# Altium PCB teletext2.PcbDoc (part 1 of 2) (continued)
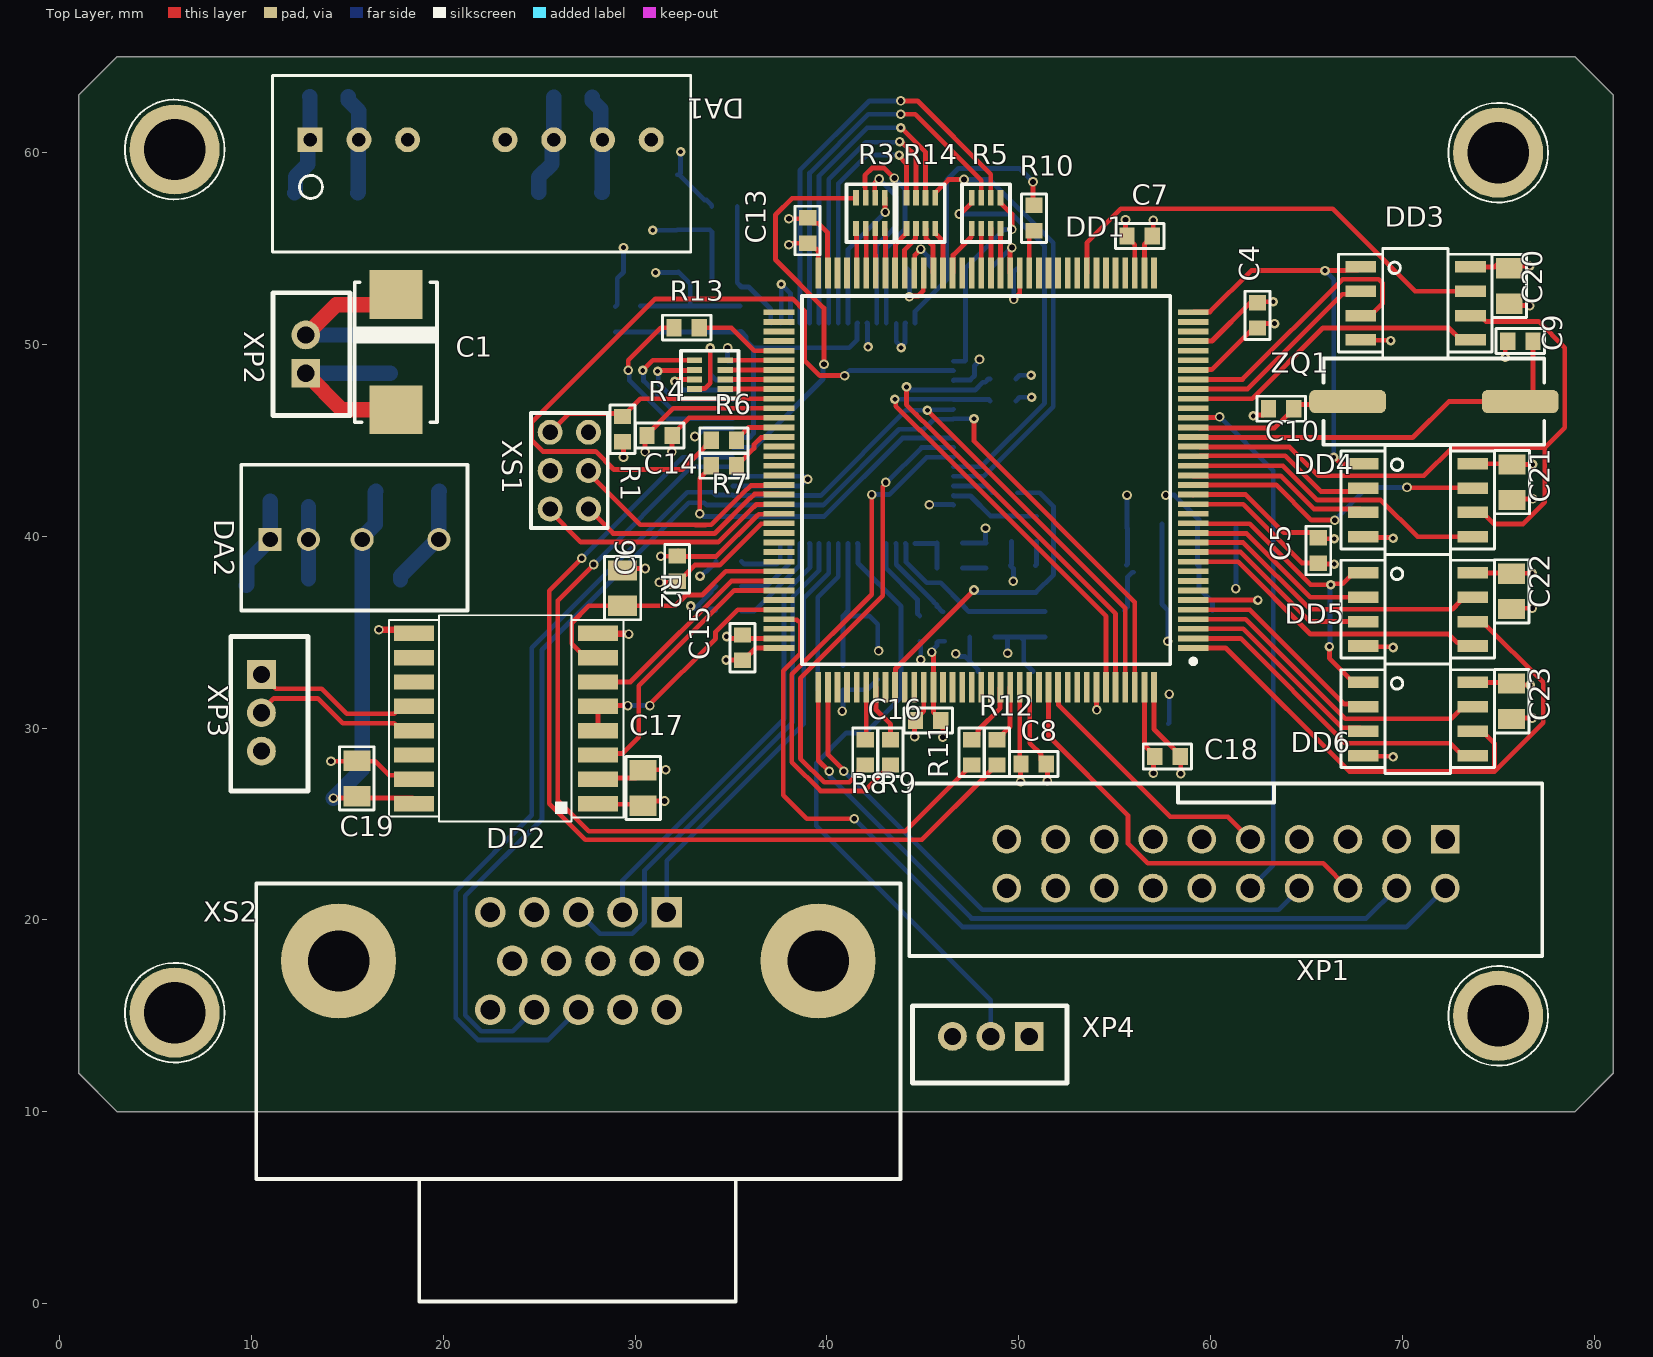
[diagram p0: Top Layer view]
## Design rules (kind name [scope] priority, off if disabled: settings) (continued)
MinimumAnnularRing "Minimum AR VIA Advance" [IsVia] p3: minimumring=0.1
MinimumAnnularRing "Minimum AR PAD Advance" [IsPAD] p4: minimumring=0.15
MinimumSolderMaskSliver "SolderMask Bridge Standart" [All] p1: minsoldermaskwidth=0.1 // All Masks
MinimumSolderMaskSliver "SolderMask Bridge Advance" [All] p2: minsoldermaskwidth=0.1 // Mask LDI
PlaneClearance "PlaneClearance 3 Oz" [All] p1: clearance=0.35
PlaneClearance "PlaneClearance 2 Oz" [All] p2: clearance=0.3
PlaneClearance "PlaneClearance 1 Oz" [All] p3: clearance=0.2
PlaneClearance "PlaneClearance-1 1/2 Oz" [All] p4: clearance=0.2 // Standart
PlaneClearance "PlaneClearance-2 1/2 Oz" [All] p5: clearance=0.15 // Advance
PlaneConnect "TermalConnect 3 Oz" [All] p1: planeconnectstyle=Relief reliefexpansion=0.2 reliefentries=4 reliefconductorwidth=0.35 reliefairgap=0.35 // Standart
PlaneConnect "TermalConnect 2 Oz" [All] p2: planeconnectstyle=Relief reliefexpansion=0.2 reliefentries=4 reliefconductorwidth=0.3 reliefairgap=0.3 // Standart
PlaneConnect "TermalConnect-1 1 Oz" [All] p3: planeconnectstyle=Relief reliefexpansion=0.2 reliefentries=4 reliefconductorwidth=0.2 reliefairgap=0.2 // Standart
PlaneConnect "TermalConnect-2 1 Oz" [All] p4: planeconnectstyle=Relief reliefexpansion=0.508 reliefentries=4 reliefconductorwidth=0.254 reliefairgap=0.254 // Advance
PlaneConnect "TermalConnect-1 1/2 Oz" [All] p5: planeconnectstyle=Relief reliefexpansion=0.2 reliefentries=4 reliefconductorwidth=0.2 reliefairgap=0.2 // Standart
PlaneConnect "TermalConnect-2 1/2 Oz" [All] p6: planeconnectstyle=Relief reliefexpansion=0.508 reliefentries=4 reliefconductorwidth=0.254 reliefairgap=0.254 // Advance
PolygonConnect "PolygonConnect 3 Oz" [All] p1: connectstyle=Relief reliefconductorwidth=0.254 reliefentries=4 polygonreliefangle="45 Angle" airgapwidth=0.254
PolygonConnect "PolygonConnect 2 Oz" [All] p2: connectstyle=Relief reliefconductorwidth=0.254 reliefentries=4 polygonreliefangle="45 Angle" airgapwidth=0.254
PolygonConnect "PolygonConnect-1 1 Oz" [All] p3: connectstyle=Relief reliefconductorwidth=0.254 reliefentries=4 polygonreliefangle="45 Angle" airgapwidth=0.254 // Standart
PolygonConnect "PolygonConnect-2 1 Oz" [All] p4: connectstyle=Relief reliefconductorwidth=0.254 reliefentries=4 polygonreliefangle="45 Angle" airgapwidth=0.254 // Advance
PolygonConnect "PolygonConnect-1 1/2 Oz" [All] p5: connectstyle=Relief reliefconductorwidth=0.254 reliefentries=4 polygonreliefangle="45 Angle" airgapwidth=0.254 // Standart
PolygonConnect "PolygonConnect-2 1/2 Oz" [All] p6: connectstyle=Relief reliefconductorwidth=0.254 reliefentries=4 polygonreliefangle="45 Angle" airgapwidth=0.254 // Advance
RoutingCorners [All] p1 off: cornerstyle=45-Degree minsetback=2.54 maxsetback=2.54
RoutingVias [All] p1: holewidth=0.3 width=0.6 viastyle="Through Hole" minholewidth=0.2 minwidth=0.4 maxholewidth=5.9 maxwidth=6.4
SilkToSilkClearance Silk2SilkClearance [All] p1 off: silktosilkclearance=0.15
SilkToSolderMaskClearance Silk2SolderMaskClearance [IsPad] p1 off: minsilkscreentomaskgap=0.15 clearancetoexposedcopper=TRUE
SolderMaskExpansion SolderMaskExpansion-1 [All] p1: expansion=0.05 istentingtop=FALSE // Standart
SolderMaskExpansion "SolderMaskExpansion LDI" [All] p2: expansion=0.025 istentingtop=FALSE // Advance
Width "Width 1 Oz" [All] p1: maxlimit=10 minlimit=0.15 preferedwidth=0.2 checkconnectedcopper=TRUE
Width "Width 1/2 Oz" [All] p2: maxlimit=10 minlimit=0.1 preferedwidth=0.125 checkconnectedcopper=TRUE
21 further rules are at their usual default settings.

## Classes and differential pairs
differential pair RS485: +RS485_P -RS485_N

## Components (designator, comment, footprint, x,y, rotation, side; value= is the part's Value field where it differs from the comment)
C1 "POL CAP_gost" "TANT CAP D" 17.535,49.595 r270 top value="100 мкФ x 35 В"
C2 "Конденсатор керамич. 50 В, 0,1 мкФ ± 10%, X7R SMD 0805" CAP0805#1 15.035,48.495 r90 bottom value="0,1 мкФ"
C3 "Конденсатор керамич. 50 В, 0,1 мкФ ± 10%, X7R SMD 0805" CAP0805#1 17.235,48.495 r90 bottom value="0,01 мкФ"
C4 "Конденсатор керамич.  0,1 мкФ Ом, ±10%, X7R SMD 0603" CAPC0603 62.45,52.25 r270 top value="0,1 мкФ"
C5 "Конденсатор керамич.  0,1 мкФ Ом, ±10%, X7R SMD 0603" CAPC0603 65.625,39.995 r270 top value="0,1 мкФ"
C6 "Конденсатор керамич.  0,1 мкФ Ом, ±10%, X7R SMD 0603" CAPC0603 32.2,37.575 r90 top value="0,1 мкФ"
C7 "Конденсатор керамич.  0,1 мкФ Ом, ±10%, X7R SMD 0603" CAPC0603 55.575,55.65 r0 top value="0,1 мкФ"
C8 "Конденсатор керамич.  0,1 мкФ Ом, ±10%, X7R SMD 0603" CAPC0603 51.521,28.129 r180 top value="0,1 мкФ"
C9 "Конденсатор керамич. 50 В, 0,1 мкФ ± 10%, X7R SMD 0805" CAPC0603 76.895,50.175 r180 top value="18 пФ"
C10 "Конденсатор керамич. 50 В, 0,1 мкФ ± 10%, X7R SMD 0805" CAPC0603 64.425,46.65 r180 top value="18 пФ"
C11 "Конденсатор керамич.  0,1 мкФ Ом, ±10%, X7R SMD 0603" CAPC0603 48.5,53.95 r0 bottom value="0,1 мкФ"
C12 "Конденсатор керамич.  0,1 мкФ Ом, ±10%, X7R SMD 0603" CAPC0603 45.6,53.95 r180 bottom value="0,1 мкФ"
C13 "Конденсатор керамич.  0,1 мкФ Ом, ±10%, X7R SMD 0603" CAPC0603 39,55.205 r90 top value="0,1 мкФ"
C14 "Конденсатор керамич.  0,1 мкФ Ом, ±10%, X7R SMD 0603" CAPC0603 32.02,45.25 r180 top value="0,1 мкФ"
C15 "Конденсатор керамич.  0,1 мкФ Ом, ±10%, X7R SMD 0603" CAPC0603 35.6,33.455 r90 top value="0,1 мкФ"
C16 "Конденсатор керамич.  0,1 мкФ Ом, ±10%, X7R SMD 0603" CAPC0603 46.02,30.4 r180 top value="0,1 мкФ"
C17 "Конденсатор керамич. 50 В, 0,1 мкФ ± 10%, X7R SMD 0805" CAP0805#2 30.425,26.875 r90 top value="0,1 мкФ"
C18 "Конденсатор керамич.  0,1 мкФ Ом, ±10%, X7R SMD 0603" CAPC0603 58.495,28.525 r180 top value="0,1 мкФ"
C19 "Конденсатор керамич. 50 В, 0,1 мкФ ± 10%, X7R SMD 0805" CAP0805#2 15.5,27.375 r90 top value="0,1 мкФ"
C20 "Конденсатор керамич. 50 В, 0,1 мкФ ± 10%, X7R SMD 0805" CAP0805#2 75.575,53.05 r270 top value="0,1 мкФ"
C21 "Конденсатор керамич. 50 В, 0,1 мкФ ± 10%, X7R SMD 0805" CAP0805#2 75.725,42.825 r270 top value="0,1 мкФ"
C22 "Конденсатор керамич. 50 В, 0,1 мкФ ± 10%, X7R SMD 0805" CAP0805#2 75.7,37.125 r270 top value="0,1 мкФ"
C23 "Конденсатор керамич. 50 В, 0,1 мкФ ± 10%, X7R SMD 0805" CAP0805#2 75.7,31.4 r270 top value="0,1 мкФ"
C24 "Конденсатор керамич. 50 В, 0,1 мкФ ± 10%, X7R SMD 0805" CAP0805#1 15.05,62.925 r180 bottom value="0,1 мкФ"
C25 "Конденсатор керамич. 50 В, 0,1 мкФ ± 10%, X7R SMD 0805" CAP0805#1 12.975,41.832 r180 bottom value="0,1 мкФ"
C26 "Конденсатор керамич.  2200 пФ Ом, ±10%, X7R SMD 0603" CAPC0603 34.15,36.1 r0 bottom value="2200 пФ"
C27 "Конденсатор керамич.  2200 пФ Ом, ±10%, X7R SMD 0603" CAPC0603 46.075,34.675 r90 bottom value="2200 пФ"
C28 "Конденсатор керамич. 50 В, 0,1 мкФ ± 10%, X7R SMD 0805" CAP0805#3 60.325,40.65 r0 bottom value="10 мкФ"
C29 "Конденсатор керамич. 50 В, 0,1 мкФ ± 10%, X7R SMD 1210" Cap1210 13.9,57.9 r180 bottom value="10 мкФ"
C30 "Конденсатор керамич. 50 В, 0,1 мкФ ± 10%, X7R SMD 0805" CAP0805#3 60.325,38.5 r0 bottom value="0,1 мкФ"
C31 "Конденсатор керамич. 50 В, 0,1 мкФ ± 10%, X7R SMD 1210" Cap1210 11.375,37.432 r180 bottom value="10 мкФ"
C32 "Конденсатор керамич.  0,01 мкФ Ом, ±10%, X7R SMD 0603" CAPC0603 31.575,50.6 r90 bottom value="0,01 мкФ"
C33 "Конденсатор керамич.  0,01 мкФ Ом, ±10%, X7R SMD 0603" CAPC0603 39.45,35.85 r0 bottom value="0,01 мкФ"
C34 "Конденсатор керамич.  0,01 мкФ Ом, ±10%, X7R SMD 0603" CAPC0603 50.075,36.15 r270 bottom value="0,01 мкФ"
C35 "Конденсатор керамич.  0,1 мкФ Ом, ±10%, X7R SMD 0603" CAPC0603 35.625,37.4 r180 bottom value="0,1 мкФ"
C36 "Конденсатор керамич.  0,1 мкФ Ом, ±10%, X7R SMD 0603" CAPC0603 32.875,50.605 r90 bottom value="0,1 мкФ"
C37 "Конденсатор керамич.  0,1 мкФ Ом, ±10%, X7R SMD 0603" CAPC0603 39.455,34.55 r0 bottom value="0,1 мкФ"
C38 "Конденсатор керамич.  0,1 мкФ Ом, ±10%, X7R SMD 0603" CAPC0603 48.775,36.15 r270 bottom value="0,1 мкФ"
C39 "Конденсатор керамич. 50 В, 0,15 мкФ ± 10%, X7R SMD 0603" CAPC0603 48.3,38.255 r90 bottom value=0,15мкФ
C40 "Конденсатор керамич. 50 В, 0,15 мкФ ± 10%, X7R SMD 0603" CAPC0603 50.96,38.474 r180 bottom value=0,15мкФ
C41 "Конденсатор керамич.  0,01 мкФ Ом, ±10%, X7R SMD 0603" CAPC0603 35.475,50.605 r90 bottom value="0,01 мкФ"
C42 "Конденсатор керамич.  0,01 мкФ Ом, ±10%, X7R SMD 0603" CAPC0603 35.405,55.875 r180 bottom value="0,01 мкФ"
C43 "Конденсатор керамич.  10 мкФ Ом, ±10%, X7R SMD 0603" CAPC0603 39.455,33.25 r0 bottom value="10 мкФ"
C44 "Конденсатор керамич.  10 мкФ Ом, ±10%, X7R SMD 0603" CAPC0603 51.375,36.15 r270 bottom value="10 мкФ"
C45 "Конденсатор керамич. 50 В, 0,1012 мкФ ± 10%, X7R SMD 0402" CAPC0603 45.67,39.65 r0 bottom value=0,012мкФ
C46 "Конденсатор керамич. 50 В, 0,1012 мкФ ± 10%, X7R SMD 0402" CAPC0603 49.625,41.125 r270 bottom value=0,012мкФ
C47 "Конденсатор керамич.  0,1 мкФ Ом, ±10%, X7R SMD 0603" CAPC0603 30.275,50.605 r90 bottom value="0,1 мкФ"
C48 "Конденсатор керамич.  0,1 мкФ Ом, ±10%, X7R SMD 0603" CAPC0603 35.405,54.575 r180 bottom value="0,1 мкФ"
C49 "Конденсатор керамич.  10 мкФ Ом, ±10%, X7R SMD 0603" CAPC0603 34.175,50.605 r90 bottom value="10 мкФ"
C50 "Конденсатор керамич.  10 мкФ Ом, ±10%, X7R SMD 0603" CAPC0603 35.4,53.275 r180 bottom value="10 мкФ"
C51 "Конденсатор керамич. 50 В, 0,1 мкФ ± 10%, X7R SMD 0805" CAP0805#1 25.775,62.9 r0 bottom value="0,1 мкФ"
C52 "Конденсатор керамич. 50 В, 0,1 мкФ ± 10%, X7R SMD 0805" CAP0805#1 15.775,37.732 r0 bottom value="0,1 мкФ"
C53 "Конденсатор керамич. 50 В, 0,1 мкФ ± 10%, X7R SMD 0805" CAP0805#3 56.55,40.65 r180 bottom value="0,1 мкФ"
C54 "Конденсатор керамич. 50 В, 0,1 мкФ ± 10%, X7R SMD 0805" Cap1210 26.625,57.925 r0 bottom value=10мкФ
C55 "Конденсатор керамич. 50 В, 0,1 мкФ ± 10%, X7R SMD 0805" Cap1210 18.15,42.35 r0 bottom value=10мкФ
C56 "Конденсатор электрол. К50-35, 63В 6,3 ВА 33 мкФ Ом, ±10%, TANT CAP A" "TANT CAP A" 42.65,34.975 r270 bottom value="33 мкФ"
C57 "Конденсатор электрол. К50-35, 63В 6,3 ВА 33 мкФ Ом, ±10%, TANT CAP A" "TANT CAP A" 50.325,32.95 r180 bottom value="33 мкФ"
C58 "Конденсатор электрол. К50-35, 63В 6,3 ВА 33 мкФ Ом, ±10%, TANT CAP A" "TANT CAP A" 31.838,53.775 r180 bottom value="33 мкФ"
C59 "Конденсатор электрол. К50-35, 63В 6,3 ВА 33 мкФ Ом, ±10%, TANT CAP A" "TANT CAP A" 32.2,56.412 r90 bottom value="33 мкФ"
C60 "Конденсатор керамич. 50 В, 0,1 мкФ ± 10%, X7R SMD 0805" CAP0805#3 56.55,38.5 r180 bottom value="10 мкФ"
DA1 "Микросхема TMR 3-2410 (TracoPower)" "SIP-8_TMR 3 (SINGLE)(Primary)" 13.065,60.675 r0 top value="TMR 3-2410"
DA2 "Микросхема TRN1-2411 (TracoPower)" TRN1 10.975,39.832 r0 top value=TRN1-2411
DA3 "Микросхема TLV1117-18CD (Texas Instruments)" "SOT-223 (DCY)" 60.102,36.125 r0 bottom value=TLV1117-18CD
DD1 "Микросхема STM32L4R7ZIT6 (STMicroelectronics)" LQFP-144 59.107,34.175 r180 top locked
DD2 "ADM2483BRW" SOIC-16 28.075,26.055 r180 top
DD3 "Микросхема памяти FLASH W25Q40EWSNIG (Winbond Electronics)" SO-8 67.842,54.045 r0 top
DD4 "Микросхема памяти FLASH W25Q40EWSNIG (Winbond Electronics)" SO-8 67.967,43.782 r0 top
DD5 "Микросхема памяти SRAM 23LC1024-I/SN (Microchip Technology)" SO-8 67.967,38.09 r0 top
DD6 "Микросхема памяти SRAM 23LC1024-I/SN (Microchip Technology)" SO-8 67.967,32.38 r0 top
DD7 "Микросхема ADV7343 (AnalogDevices)" LQFP-64 37.1,51.125 r270 bottom value=ADV7343
L1 "FERRITE BEAD  600 OHM Ом, 25%, SMD 0603" RES0603 39.45,31.95 r0 bottom value="600 OHM"
L2 "FERRITE BEAD  600 OHM Ом, 25%, SMD 0603" RES0603 47.45,36.15 r270 bottom value="600 OHM"
L3 "FERRITE BEAD  600 OHM Ом, 25%, SMD 0603" RES0603 28.975,50.58 r90 bottom value="600 OHM"
L4 "FERRITE BEAD  600 OHM Ом, 25%, SMD 0603" RES0603 35.4,57.2 r180 bottom value="600 OHM"
R1 "Резистор ЧИП 0.063Вт-4,7kОм±5%, X7R SMD 0603" RES0603 29.35,46.32 r270 top value=4,7k
R2 "Резистор ЧИП 0.125Вт-4,7kОм±5%, X7R 0805" RES0805 29.35,37.3 r90 top value=4,7k
R3 "Резистивная сборка CAY16-330J4LF 4x33" RES_CAY16-xxxF4LF 41.525,56.05 r0 top value=4x33
R4 "Резистивная сборка CAY16-330J4LF 4x33" RES_CAY16-xxxF4LF 34.7,47.675 r90 top value=4x33
R5 "Резистивная сборка CAY16-330J4LF 4x33" RES_CAY16-xxxF4LF 47.55,56.05 r0 top value=4x33
R6 "Резистор ЧИП 0.1Вт-27Ом±5%, X7R SMD 0805" RES0603 33.9,45 r0 top value=27
R7 "Резистор ЧИП 0.1Вт-27Ом±5%, X7R SMD 0805" RES0603 33.9,43.675 r0 top value=27
R8 "Резистор ЧИП 0.1Вт-27Ом±5%, X7R SMD 0805" RES0603 42,28 r90 top value=27
R9 "Резистор ЧИП 0.1Вт-27Ом±5%, X7R SMD 0805" RES0603 43.325,28 r90 top value=27
R10 "Резистор ЧИП 0.1Вт-27Ом±5%, X7R SMD 0805" RES0603 50.8,57.325 r270 top value=27
R11 "Резистор ЧИП 0.1Вт-27Ом±5%, X7R SMD 0805" RES0603 47.55,28 r90 top value=27
R12 "Резистор ЧИП 0.1Вт-27Ом±5%, X7R SMD 0805" RES0603 48.875,28 r90 top value=27
R13 "Резистор ЧИП 0.1Вт-27Ом±5%, X7R SMD 0805" RES0603 31.955,50.875 r0 top value=27
R14 "Резистивная сборка CAY16-330J4LF 4x33" RES_CAY16-xxxF4LF 44.15,56.05 r0 top value=4x33
R18 "Резистор 27 Ом, 5% SMD 0402" RES0603 48.453,48.355 r0 bottom value=3,3k
R19 "Резистор 27 Ом, 5% SMD 0402" RES0603 48.45,47.05 r0 bottom value=3,3k
R20 "Резистор 27 Ом, 5% SMD 0402" RES0603 48.55,42.275 r0 bottom value=33
R21 "Резистор 27 Ом, 5% SMD 0402" RES0603 34.15,38.7 r0 bottom value=510
R22 "Резистор 27 Ом, 5% SMD 0402" RES0603 44.784,34.673 r90 bottom value=4,12k
R23 "Резистор 27 Ом, 5% SMD 0402" RES0603 47.145,38.35 r180 bottom value=510
R24 "Резистор 27 Ом, 5% SMD 0402" RES0603 50.925,39.65 r90 bottom value=510
XP1 "Вилка на плату BH-20 (Zhenqin)" bh-20 72.245,24.2 r180 top value=BH-20
XP2 "2PinConnector" 2pinMicroLatch 12.835,48.495 r90 top value=B-2B-EH-A
XP3 "3PinConn_GOST" 3pinMicroLatch 10.525,32.8 r270 top value=B-3B-EH-A
XP4 "3PinConn_GOST" 3pinMicroLatch 50.55,13.925 r180 top value=B-3B-EH-A
XS1 "Разъем PBD-6" MTMM-103-04-T-D-157 26.575,43.425 r90 top
XS2 "20PinConn_GOST" DHR-15FB 31.65,20.4 r180 top value=DHR-15F
ZQ1 "Quartz_resonator_GOST" P_HC49SM 67.15,47.025 r0 top value="9,216 МГц"

## Footprints (in the part's own frame and the unit in brackets; to place one, negate y for a bottom-side part, rotate by r counter-clockwise, add the part's x,y. Pads: shape width x height; smd on the part's side, far side on the other; paste and mask are expansions set on the pad)
2pinMicroLatch [mm] "Molex 2mm pitch wire to board"
  rect 1.5x1.5 hole 0.9: 1(0,0)
  round 1.5 hole 0.9: 2(2,0)
  silkscreen extent -2.2,-2.3 4.2,1.7, body extent -2,-2.15 4,1.5, height 5.55
3pinMicroLatch [mm] "Molex 2mm pitch wire to board"
  rect 1.5x1.5 hole 0.9: 1(0,0)
  round 1.5 hole 0.9: 2(2,0) 3(4,0)
  silkscreen extent -1.97,-1.6 6.07,2.42, body extent -2.02,-1.53 5.98,2.12, height 5.55
bh-20 [mm]
  rect 1.5x1.5 hole 1.02: 1(0,0)
  round 1.5 hole 1.02: 2(0,2.54) 3(2.54,0) 4(2.54,2.54) 5(5.08,0) 6(5.08,2.54) 7(7.62,0) 8(7.62,2.54) 9(10.16,0) 10(10.16,2.54) 11(12.7,0) 12(12.7,2.54) 13(15.24,0) 14(15.24,2.54) 15(17.78,0) 16(17.78,2.54) 17(20.32,0) 18(20.32,2.54) 19(22.86,0) 20(22.86,2.54)
  silkscreen extent -5.05,-2.91 27.95,6.09, body extent -5.05,-2.91 27.95,6.09, height 8.9
CAP0805#1 [mm]
  rect 1x1.4 smd: 1(0,0) 2(2,0)
  silkscreen extent -0.8,-1 2.8,1, body extent -0.05,-0.67 2.05,0.68, height 0.75
CAP0805#2 [mm] "Chip Capacitor, 2-Leads, Body 2,00x1,20mm, IPC Medium Density"
  rect 1.05x1.4 smd: 1(-0.925,0) 2(0.925,0)
  silkscreen extent -1.65,-0.9 1.65,0.9, body extent -1.1,-0.7 1.1,0.7, height 0.6
CAP0805#3 [mm] "Chip Capacitor, 2-Leads, Body 2,00x1,20mm, IPC Medium Density"
  rect 1.05x1.5 smd: 1(-0.925,0) 2(0.925,0)
  silkscreen extent -1.65,-0.95 1.65,0.95, body extent -1.1,-0.7 1.1,0.7, height 0.6
Cap1210 [mm]
  rect 0.9x2.5 smd: 1(-1.65,0) 2(1.65,0)
  silkscreen extent -2.32,-1.48 2.32,1.48, body extent -1.5,-1.25 1.7,1.25, height 0.92
CAPC0603 [mm]
  rect 0.8x0.9 smd: 1(0.075,0) 2(1.395,0)
  silkscreen extent -0.53,-0.65 2,0.65, body extent -0.06,-0.4 1.54,0.4, height 0.9
DHR-15FB [mm] "VGA разъем"
  rect 1.6x1.6 hole 1: 1(0,0)
  round 1.6 hole 1: 2(2.3,0) 3(4.6,0) 4(6.9,0) 5(9.2,0) 6(-1.15,2.54) 7(1.15,2.54) 8(3.45,2.54) 9(5.75,2.54) 10(8.05,2.54) 11(0,5.08) 12(2.3,5.08) 13(4.6,5.08) 14(6.9,5.08) 15(9.2,5.08)
  round 6 hole 3.2: 16(-7.9,2.54) 17(17.1,2.54)
  silkscreen extent -12.2,-1.5 21.4,20.3, body extent -11.02,-1.98 19.82,20.12, height 12.5
LQFP-64 [mm]
  rect 1.2x0.3 smd: 1(0,0) 2(0,-0.5) 3(0,-1) 4(0,-1.5) 5(0,-2) 6(0,-2.5) 7(0,-3) 8(0,-3.5) 9(0,-4) 10(0,-4.5) 11(0,-5) 12(0,-5.5) 13(0,-6) 14(0,-6.5) 15(0,-7) 16(0,-7.5) 33(11.5,-7.5) 34(11.5,-7) 35(11.5,-6.5) 36(11.5,-6) 37(11.5,-5.5) 38(11.5,-5) 39(11.5,-4.5) 40(11.5,-4) 41(11.5,-3.5) 42(11.5,-3) 43(11.5,-2.5) 44(11.5,-2) 45(11.5,-1.5) 46(11.5,-1) 47(11.5,-0.5) 48(11.5,0)
  rect 0.3x1.2 smd: 17(2,-9.5) 18(2.5,-9.5) 19(3,-9.5) 20(3.5,-9.5) 21(4,-9.5) 22(4.5,-9.5) 23(5,-9.5) 24(5.5,-9.5) 25(6,-9.5) 26(6.5,-9.5) 27(7,-9.5) 28(7.5,-9.5) 29(8,-9.5) 30(8.5,-9.5) 31(9,-9.5) 32(9.5,-9.5) 49(9.5,2) 50(9,2) 51(8.5,2) 52(8,2) 53(7.5,2) 54(7,2) 55(6.5,2) 56(6,2) 57(5.5,2) 58(5,2) 59(4.5,2) 60(4,2) 61(3.5,2) 62(3,2) 63(2.5,2) 64(2,2)
  silkscreen extent -0.2,-8.6 10.6,1.1, body extent -0.25,-9.75 11.75,2.25, height 1.5
LQFP-144 [mm]
  rect 1.6x0.3 smd: 1(0,0) 2(0,-0.5) 3(0,-1) 4(0,-1.5) 5(0,-2) 6(0,-2.5) 7(0,-3) 8(0,-3.5) 9(0,-4) 10(0,-4.5) 11(0,-5) 12(0,-5.5) 13(0,-6) 14(0,-6.5) 15(0,-7) 16(0,-7.5) 17(0,-8) 18(0,-8.5) 19(0,-9) 20(0,-9.5) 21(0,-10) 22(0,-10.5) 23(0,-11) 24(0,-11.5) 25(0,-12) 26(0,-12.5) 27(0,-13) 28(0,-13.5) 29(0,-14) 30(0,-14.5) 31(0,-15) 32(0,-15.5) 33(0,-16) 34(0,-16.5) 35(0,-17) 36(0,-17.5) 73(21.6,-17.5) 74(21.6,-17) 75(21.6,-16.5) 76(21.6,-16) 77(21.6,-15.5) 78(21.6,-15) 79(21.6,-14.5) 80(21.6,-14) 81(21.6,-13.5) 82(21.6,-13) 83(21.6,-12.5) 84(21.6,-12) 85(21.6,-11.5) 86(21.6,-11) 87(21.6,-10.5) 88(21.6,-10) 89(21.6,-9.5) 90(21.6,-9) 91(21.6,-8.5) 92(21.6,-8) 93(21.6,-7.5) 94(21.6,-7) 95(21.6,-6.5) 96(21.6,-6) 97(21.6,-5.5) 98(21.6,-5) 99(21.6,-4.5) 100(21.6,-4) 101(21.6,-3.5) 102(21.6,-3) 103(21.6,-2.5) 104(21.6,-2) 105(21.6,-1.5) 106(21.6,-1) 107(21.6,-0.5) 108(21.6,0)
  rect 0.3x1.6 smd: 37(2.05,-19.55) 38(2.55,-19.55) 39(3.05,-19.55) 40(3.55,-19.55) 41(4.05,-19.55) 42(4.55,-19.55) 43(5.05,-19.55) 44(5.55,-19.55) 45(6.05,-19.55) 46(6.55,-19.55) 47(7.05,-19.55) 48(7.55,-19.55) 49(8.05,-19.55) 50(8.55,-19.55) 51(9.05,-19.55) 52(9.55,-19.55) 53(10.05,-19.55) 54(10.55,-19.55) 55(11.05,-19.55) 56(11.55,-19.55) 57(12.05,-19.55) 58(12.55,-19.55) 59(13.05,-19.55) 60(13.55,-19.55) 61(14.05,-19.55) 62(14.55,-19.55) 63(15.05,-19.55) 64(15.55,-19.55) 65(16.05,-19.55) 66(16.55,-19.55) 67(17.05,-19.55) 68(17.55,-19.55) 69(18.05,-19.55) 70(18.55,-19.55) 71(19.05,-19.55) 72(19.55,-19.55) 109(19.55,2.05) 110(19.05,2.05) 111(18.55,2.05) 112(18.05,2.05) 113(17.55,2.05) 114(17.05,2.05) 115(16.55,2.05) 116(16.05,2.05) 117(15.55,2.05) 118(15.05,2.05) 119(14.55,2.05) 120(14.05,2.05) 121(13.55,2.05) 122(13.05,2.05) 123(12.55,2.05) 124(12.05,2.05) 125(11.55,2.05) 126(11.05,2.05) 127(10.55,2.05) 128(10.05,2.05) 129(9.55,2.05) 130(9.05,2.05) 131(8.55,2.05) 132(8.05,2.05) 133(7.55,2.05) 134(7.05,2.05) 135(6.55,2.05) 136(6.05,2.05) 137(5.55,2.05) 138(5.05,2.05) 139(4.55,2.05) 140(4.05,2.05) 141(3.55,2.05) 142(3.05,2.05) 143(2.55,2.05) 144(2.05,2.05)
  silkscreen extent -0.13,-18.35 20.4,0.85, body extent -0.2,-19.8 21.8,2.2, height 1.5
MTMM-103-04-T-D-157 [mm] "Samtec connector 2mm (.0787\") Low Profile, Modified .020\" (.51mm) Square Post Terminal Strip"
  round 1.3 hole 0.8: 1(-2,-1) 2(-2,1) 3(0,-1) 4(0,1) 5(2,-1) 6(2,1)
  silkscreen extent -3,-2 3,2, body extent -3,-1.97 3,1.97, height 5.49
P_HC49SM [mm]
  rrect50% 4x1.2 smd: 1(0,0) 2(9,0)
  silkscreen extent -1.25,-2.25 10.25,2.25, body extent -1.43,-2.33 10.58,2.37, height 4.3
RES0603 [mm] "Chip Resistor, 2-Leads, Body 2,00x1,20mm, IPC Medium Density"
  rect 0.8x0.9 smd: 1(0.075,0) 2(1.395,0)
  silkscreen extent -0.53,-0.65 2,0.65, body extent -0.06,-0.4 1.54,0.4, height 0.55
RES0805 [mm] "Chip Resistor, 2-Leads, Body 2,00x1,20mm, IPC Medium Density"
  rect 1.05x1.5 smd: 1(-0.925,0) 2(0.925,0)
  silkscreen extent -1.65,-0.95 1.65,0.95, body extent -1.1,-0.7 1.1,0.7, height 0.6
RES_CAY16-xxxF4LF [mm] "резисторная сборка 8 элементов"
  rect 0.3x0.8 smd: 1(0,0) 2(0.5,0) 3(1,0) 4(1.5,0) 5(1.5,1.6) 6(1,1.6) 7(0.5,1.6) 8(0,1.6)
  silkscreen extent -0.5,-0.7 2,2.3, body extent -0.26,0.31 1.74,1.31, height 0.45
"SIP-8_TMR 3 (SINGLE)(Primary)" [mm]
  rect 1.3x1.3 hole 0.7: 1(0,0)
  round 1.3 hole 0.7: 2(2.54,0) 3(5.08,0) 5(10.16,0) 6(12.7,0) 7(15.24,0) 8(17.78,0)
  silkscreen extent -1.96,-5.86 19.84,3.34, body extent -2,-5.8 19.8,3.4, height 11.1
SO-8 [mm]
  rect 1.6x0.6 smd: 1(0,0) 2(0,-1.27) 3(0,-2.54) 4(0,-3.81) 5(5.715,-3.81) 6(5.715,-2.54) 7(5.715,-1.27) 8(5.715,0)
  silkscreen extent -1.16,-4.74 6.84,0.96, body extent -0.1,-4.35 5.9,0.55, height 1.75
SOIC-16 [mm]
  rect 2.1x0.8 smd: 1(0,0) 2(0,-1.27) 3(0,-2.54) 4(0,-3.81) 5(0,-5.08) 6(0,-6.35) 7(0,-7.62) 8(0,-8.89) 9(9.6,-8.89) 10(9.6,-7.62) 11(9.6,-6.35) 12(9.6,-5.08) 13(9.6,-3.81) 14(9.6,-2.54) 15(9.6,-1.27) 16(9.6,0)
  silkscreen extent -1.32,-9.83 10.9,0.92, body extent -0.33,-9.68 10.03,0.83, height 1.68
"SOT-223 (DCY)" [mm]
  rect 1.1x2 smd: 1(0,0) 2(-2.3,0) 3(-4.6,0)
  rect 3.3x2 smd: 4(-2.3,5.9)
  silkscreen extent -5.7,-1.3 1.1,7.3, body extent -5.63,-0.72 1.07,6.57, height 1.75
"TANT CAP A" [mm]
  rect 1.6x1.8 smd paste+0: 1(-0.432,0)
  rect 1.6x1.8 smd: 2(2.438,0)
  silkscreen extent -1.48,-1.15 3.47,1.15, body extent -0.57,-0.82 2.63,0.78, height 1.61
"TANT CAP D" [mm] "Molded Capacitor, 2-Leads, Body 6,00x3,20mm, IPC Medium Density"
  rect 2.55x2.77 smd: 1(-3,0) 2(3,0)
  silkscreen extent -3.65,-2.15 3.65,2.15, body extent -3.65,-2.15 3.65,2.15, height 2.81
TRN1 [mm] "DC/DC, 1W"
  rect 1.2x1.2 hole 0.8: 1(0,0)
  round 1.2 hole 0.8: 2(2,0) 3(4.8,0) 5(8.8,0)
  silkscreen extent -1.5,-3.7 10.3,3.9, body extent -1.55,-3.75 10.35,3.95, height 11

## Part data
C1: "Конденсатор  электрол. К50-35б 63 В, 100 х 35 мкФ ± 20%, VIS TANT CAP A", Manufacturer="VISHAY INTERTECHNOLOGY INC.", CompType="Конденсатор электрол. К50-35, 63В", Foot="Тип Д", ProductCode=T52M1107M035C0055
C2 C17 C19 C20 C21 C22 C23 C24 C25 C28 C30 C39 C40 C45 C46 C51 C52 C53 C54 C55 C60: library part Capacitor_GOST, Manufacturer="Murata Electronics", Power/Voltage=50V, ProductCode=GRM21BR71H104K
  C2 C17 C19 C20 C21 C22 C23 C24 C25 C28 C30 C51 C52 C53 C54 C55 C60: Accuracy=10%, CompType="Конденсатор керамич. 50 В, 0,1 мкФ ± 10%, X7R SMD 0805", Foot=0805
  C39 C40 C45 C46: Accuracy=5%, CompType="Керамический конд. 0805 63В", Foot=0603
C3: library part Capacitor_GOST, "Конденсатор керамич. 50 В, 0,01 мкФ ± 10%, X7R SMD 0805", Manufacturer="Murata Electronics", Power/Voltage=50V, Accuracy=10%, CompType="Конденсатор керамич. 50 В, 0,1 мкФ ± 10%, X7R SMD 0805", Foot=0805, ProductCode=GRM21BR71H104K
C4 C5 C6 C7 C8 C11 C12 C13 C14 C15 C16 C18 C32 C33 C34 C35 C36 C37 C38 C41 C42 C47 C48: library part Capacitor_GOST, "Конденсатор керамич. SMD", Manufacturer=Тайвань, Power/Voltage="50 В", Temperature=X7R, Accuracy=±10%, CompType="Конденсатор керамич.", Foot=0603
  C4 C5 C6 C7 C8 C11 C12 C13 C14 C15 C16 C18 C35 C36 C37 C38 C47 C48: ProductCode=GRM155R71A104KA01D
  C32 C33 C34 C41 C42: ProductCode=MLCC0.01uFX7R16V10%0402
C9 C10: library part Capacitor_GOST, "Конденсатор керамич. 50 В, 0,1 пФ ± 10%, X8R SMD 0805", Manufacturer="Kemet Electronics", Power/Voltage=50V, Accuracy=10%, CompType="Конденсатор керамич. 50 В, 0,1 мкФ ± 10%, X7R SMD 0805", Foot=0603, ProductCode=C0805X508B5HACAUTO
C26 C27 C43 C44 C49 C50: library part Capacitor_GOST, "Конденсатор керамич. SMD", Manufacturer="Murata Electronics", Power/Voltage="50 В", Temperature=X7R, Accuracy=±10%, CompType="Конденсатор керамич.", Foot=0603
  C26 C27: ProductCode=GRM155R71H222KA01B
  C43 C44 C49 C50: ProductCode=GRM155R60E106ME16D
C29 C31: library part Capacitor_GOST, "Конденсатор керамич. 50 В, 0,1 мкФ ± 10%, X7R SMD 0805", Manufacturer="Murata Electronics", Power/Voltage=50V, Accuracy=10%, CompType="Конденсатор керамич. 50 В, 0,1 мкФ ± 10%, X7R SMD 0805", Foot=0805, ProductCode=GRM21BR71H104K
C56 C57 C58 C59: library part "POL CAP_gost", Manufacturer=Китай, PowerVoltage="6,3 ВА", Accuracy=±10%, CompType="Конденсатор электрол. К50-35, 63В", Foot="TANT CAP A", ProductCode="TECAP33/6,3VA, 10%"
DA1: library part "TMR 3-2410", Manufacturer=TracoPower, CompType=Микросхема, Model="TMR 3-2410", ProductCode="TMR 3-2410"
DA2: library part TRN1-2411_GOST, "DC/DC", Manufacturer=TracoPower, CompType=Микросхема, Model=TRN1-2411, ProductCode=TRN1-2411
DA3: library part TLV1117-18CD, "DC/DC", Manufacturer="Texas Instruments", CompType=Микросхема, Model=TLV1117-18CD, ProductCode=TLV1117-18CDCYR
DD1: library part STM32L4R7ZIT6, "32-bit MCU", Manufacturer=STMicroelectronics, CompType=Микросхема, Model=STM32L4R7ZIT6, ProductCode=STM32L4R7ZIT6
DD2: library part ADM2483BRW_GOST, Model=ADM2483BRWZ
DD3 DD4: library part Memory_SPI_Quad_SOIC8, "Память SRAM или Flash в корпусе SO8 с интерфейсом SPI_Quad", Manufacturer="Winbond Electronics", CompType="Микросхема памяти FLASH", Model=W25Q40EWSNIG, ProductCode=W25Q40EWSNIG
DD5 DD6: library part Memory_SPI_Quad_SOIC8, "Память SRAM или Flash в корпусе SO8 с интерфейсом SPI_Quad", Manufacturer="Microchip Technology", CompType="Микросхема памяти SRAM", Model=23LC1024-I/SN, ProductCode=23LC1024-I/SN
DD7: library part ADV7343, "RGB888/Analog VGA converter", Manufacturer=AnalogDevices, CompType=Микросхема, Model=ADV7343, ProductCode=ADV7343
L1 L2 L3 L4: library part Inductivity_gost, Manufacturer="Taiyo Yuden", Accuracy=25%, CompType="FERRITE BEAD", Foot=0603, ProductCode=FBMH1608HM601-TV
R1: library part Resistor_GOST, "SMD resistor", Manufacturer=Yageo, PowerVoltage=0.063Вт, Temperature=X7R, Accuracy=5%, CompType="Резистор ЧИП", Foot="SMD 0603", FullName="Резистор ЧИПSMD 06034,7k5%", ProductCode=8001789837
R2: library part Resistor_GOST, "SMD Resistor", PowerVoltage=0.125Вт, Temperature=X7R, Accuracy=5%, CompType="Резистор ЧИП", Foot=0805, FullName="Резистор ЧИП08054,7k5%"
R3 R4 R5 R14: library part R_CAY16-xxxF4LF, "резистивная сборка 8 элементов", Manufacturer=Bourns, CompType="Резистивная сборка", Model=CAY16-330J4LF, ProductCode=CAY16-330J4LF
R6 R7 R8 R9 R10 R11 R12 R13: library part Resistor_GOST, "SMD resistor", Manufacturer=Тайвань, PowerVoltage=0.1Вт, Temperature=X7R, Accuracy=5%, CompType="Резистор ЧИП", Foot="SMD 0805", FullName="Резистор ЧИПSMD 0805275%", ProductCode=RC0603JR-0727RL
R18 R19 R21 R22 R23 R24: library part Resistor_GOST, "SMD resistor", Power/Voltage=0.125Вт, Accuracy=5%, CompType="Чип резистор", Foot=0603
  R18 R19: FullName="Чип резистор06033,3k5%"
  R21 R23 R24: FullName="Чип резистор06035105%"
  R22: FullName="Чип резистор06034,12k5%"
R20: library part Resistor_GOST, "SMD resistor", Manufacturer=Тайвань, Power/Voltage=0.125Вт, Accuracy=5%, CompType="Чип резистор", Foot=0603, FullName="Чип резистор0603335%", ProductCode="0.062Вт 0402 27 Ом, 5%"
XP1: library part 20PinConnGost, Manufacturer=Zhenqin, 1=Vtref, 2=TMS, 3=GND, 4=TCK, 5=GND, 6=TDO, 7=NC, 8=TDI, 9=nTRST, 10=nRESET, 11=GND, 12=TRACECLK, 13=GND, 14=TRACEDATA0, 15=GND, 16=TRACEDATA1, 17=GND, 18=TRACEDATA2, 19=GND, 20=TRACEDATA3, CompType="Вилка на плату", ProductCode=DS1013-20SSiB1-B-0
XP2: library part 2PinConnGost, "B2B-EH-A (LF)", Manufacturer="JST Corporation", 1=+27В, 2="Общий 27В", ProductCode="B2B-EH-A (LF)(SN)"
XS1: library part 6PinConn_GOST, "Коннектор, 6 пин", 1=SCL, 2=SDA, 3=INT, 4=VDD-3.3V, 5=GND, 6=RST
XS2: library part 15PinConn_GOST, 1=Red, 2=Green, 3=Blue, 4=Res, 5=GND, 6=RGND, 7=GGND, 8=BGND, 9=+5V, 10=SGND, 11=ID1, 12=SDA, 13=HSYNC, 14=VSYNC, 15=SCL
XP3: 1=RS-485A, 2=RS-485B, 3=Общий_RS
XP4: 1=NC, 2=DAC4, 3=Общий_RS

## Free pads (board coordinates)
  round 4.7 / inner round 0 / far side round 4.7 hole 3.2 unplated: 1(6,15.164) 1(6,60.164) 1(75,15) 1(75,60)

## Via types
v1: diameter 0.5, hole 0.3, Top Layer to Bottom Layer, tented both sides, 70 vias
v2: diameter 0.5, hole 0.25, Top Layer to Bottom Layer, tented both sides, 44 vias
v3: diameter 0.5, hole 0.3, Top Layer to Bottom Layer, 4 vias

## Nets (pads, with @x,y where several pads share a name; then routed paths per layer and width w, separated by ;. In a path a pad name is that pad's centre, name@x,y a point inside that pad or via, vN(x,y) a via of type N, cw(c..) or ccw(c..) an arc to the next point about the centre after c; other vN are vias at no path point)
+1,8В_A: C39.2 C40.2 C45.2 C46.2 C53.1 C57.2 C60.1 DA3.2 DA3.4 L2.2 | length 15
  Bottom Layer w0.25: v1(46.725,33.875) 46.793,33.875 46.943,33.725 47.212,33.725 47.5,33.437 47.887,33.05 C57.2@47.887,32.95 ; C45.2@47.065,39.65 C39.2@48.3,39.65 48.275,39.675 v1(48.275,40.425) ; C57.2@47.45,33.387 L2.2@47.45,34.755 ; C46.2@49.625,39.73 49.625,38.534 C40.2@49.566,38.474 49.725,38.315 v1(49.725,37.65) ; C53.1@57.475,40.65 57.475,36.452 DA3.2@57.802,36.125 57.775,36.098 v1(57.775,34.525) ; DA3.4@57.802,30.225 57.85,30.273 v1(57.85,31.775)
+3,3В: C4.1 C5.1 C6.1 C7.1 C8.1 C11.1 C12.1 C13.1 C14.1 C15.1 C16.1 C17.1 C18.1 C20.1 C21.1 C22.1 C23.1 C26.1 C27.1 C28.1 C30.1 C35.2 C51.1 C54.1 C56.2 C58.2 C59.2 DA1.6 DA3.1 DD1.6 DD1.17 DD1.33 DD1.39 DD1.52 DD1.62 DD1.72 DD1.84 DD1.95 DD1.108 DD1.121 DD1.131 DD1.144 DD2.1 DD3.8 DD4.8 DD5.8 DD6.8 L1.2 L3.2 L4.2 R18.2 R19.2 XP1.1 XS1.4 | length 105
  Top Layer w0.25: DD2.1@28.132,26.025 30.35,26.025 C17.1@30.425,25.95 30.675,26.2 v1(31.538,26.2) ; v1(31.275,37.595) 31.875,37.595 31.958,37.678 31.958,37.842 C6.1@32.442,37.842 ; v1(31.925,44.4) 31.925,45.23 C14.1@31.945,45.25 31.945,45.3 32.82,46.175 DD1.84@37.507,46.175 ; C6.1@32.607,37.982 33.125,38.5 34.422,38.5 36.572,40.65 36.596,40.65 37.482,40.65 DD1.95@37.507,40.675 ; v2(34.75,33.55) 35.58,33.55 C15.1@35.6,33.53 35.65,33.53 36.295,34.175 DD1.108@37.507,34.175 ; v1(38.025,55.2) 38.093,55.2 38.173,55.28 38.68,55.28 38.955,55.005 39.411,55.005 39.557,54.859 DD1.72@39.557,53.725 ; DD1.62@44.557,53.725 44.582,53.75 44.582,54.66 44.897,54.975 v1(44.902,54.975) ; v1(45.469,33.964) 45.469,33.897 45.557,33.808 DD1.121@45.557,32.125 45.557,30.838 45.945,30.45 C16.1@45.945,30.4 46.05,30.295 v1(46.05,29.525) ; DD1.52@49.557,53.725 49.557,54.889 49.65,54.982 v1(49.65,55.05) ; DD1.131@50.557,32.125 50.582,32.1 50.582,31.327 50.582,29.218 51.171,28.629 51.171,28.329 C8.1@51.425,28.075 ; C8.1@51.446,28.129 51.5,28.075 v1(51.5,27.25) ; C7.1@55.57,55.8 v1(55.57,56.5) ; C7.1@55.65,55.65 55.65,55.6 56.057,55.193 DD1.39@56.057,53.725 ; DD1.144@57.057,32.125 57.057,29.938 58.42,28.575 C18.1@58.42,28.525 58.45,28.495 v1(58.45,27.625) ; DD1.6@59.107,36.675 v2(62.475,36.675) ; DD1.17@59.107,42.15 59.132,42.175 61.84,42.175 63.82,40.195 65.35,40.195 C5.1@65.625,39.92 ; DD1.33@59.107,50.175 59.113,50.181 60.081,50.181 62.125,52.225 v2(63.275,52.225) ; C5.1@65.678,39.867 v2(66.45,39.867) ; DD3.8@73.557,54.045 74.82,54.045 75.075,54.3 75.3,54.075 v2(76.65,54.075) ; DD4.8@73.682,43.782 75.704,43.782 75.725,43.804 75.779,43.75 v2(76.8,43.75)
  Top Layer w0.254: DD6.8@73.682,32.38 75.685,32.38 75.818,32.247 v2(76.672,32.247) ; DD5.8@73.682,38.09 75.7,38.09 75.715,38.075 76.745,38.075 v2@76.76,38.09
  Bottom Layer w0.25: L3.2@28.975,51.975 29.075,52.075 29.075,53.45 C58.2@29.4,53.775 v2(29.4,55.05) ; C59.2@32.2,58.85 C59.2@32.3,58.85 ; v2(32.375,60.05) 32.375,58.925 C59.2@32.3,58.85 ; v2(32.91,36.364) 32.977,36.364 33.117,36.224 33.126,36.224 ; L4.2@34.005,57.2 34.005,57.25 33.73,57.525 33.625,57.525 C59.2@32.3,58.85 ; C26.1@34.2,36.125 34.115,36.21 33.14,36.21 33.126,36.224 ; C35.2@34.23,37.4 33.955,37.125 33.955,37.054 33.126,36.224 ; v1(40.807,30.886) 40.845,30.924 40.845,32 42.113,32 C56.2@42.65,32.537 ; v1(44.902,54.975) 45.323,54.555 45.323,54.152 C12.1@45.525,53.95 ; v1(45.469,33.964) 45.469,34.032 45.75,34.313 45.75,34.475 45.805,34.53 C27.1@46.15,34.53 ; C11.1@48.575,53.95 48.575,54 49.625,55.05 v1(49.65,55.05) ; R19.2@49.845,47.05 50.045,47.25 v2(50.675,47.25) ; R18.2@49.845,48.2 50.045,48.4 v2(50.65,48.4) ; v1(57.675,42.15) 58.125,42.15 59.4,40.875 C28.1@59.4,40.65 ; C30.1@59.327,38.5 C28.1@59.327,40.675 ; C30.1@59.4,38.5 59.4,37.277 59.677,37 60.102,36.575 DA3.1@60.102,36.125
  Bottom Layer w0.8: C54.1@24.975,57.925 24.975,58.725 25.669,59.419 25.669,60.579 DA1.6@25.765,60.675 25.77,60.68 25.77,62.895 C51.1@25.775,62.9
  other v2: 76.775,38.075
+5В_RS: C19.1 C52.1 C55.1 DA2.3 DD2.16 | length 21.1
  Top Layer w0.25: v1(14.275,26.35) 15.4,26.35 C19.1@15.5,26.45 15.6,26.35 DD2.16@18.407,26.35
  Bottom Layer w0.8: v1(14.275,26.35) 15.775,27.85 C52.1@15.775,37.732 DA2.3@15.775,39.832 15.775,39.94 16.45,40.615 16.45,42.3 C55.1@16.5,42.35